# Altium PCB UWB-Tag_Pcb.PcbDoc
Units mil, origin at the board's own origin, x right, y up, seen from the top; angles counter-clockwise.
Board outline 1732.28 x 1574.8 mil, 2 copper layers (Top Layer, Bottom Layer), stack 49.606 mil thick; 57 components, 70 nets, 290 pads, 152 vias.
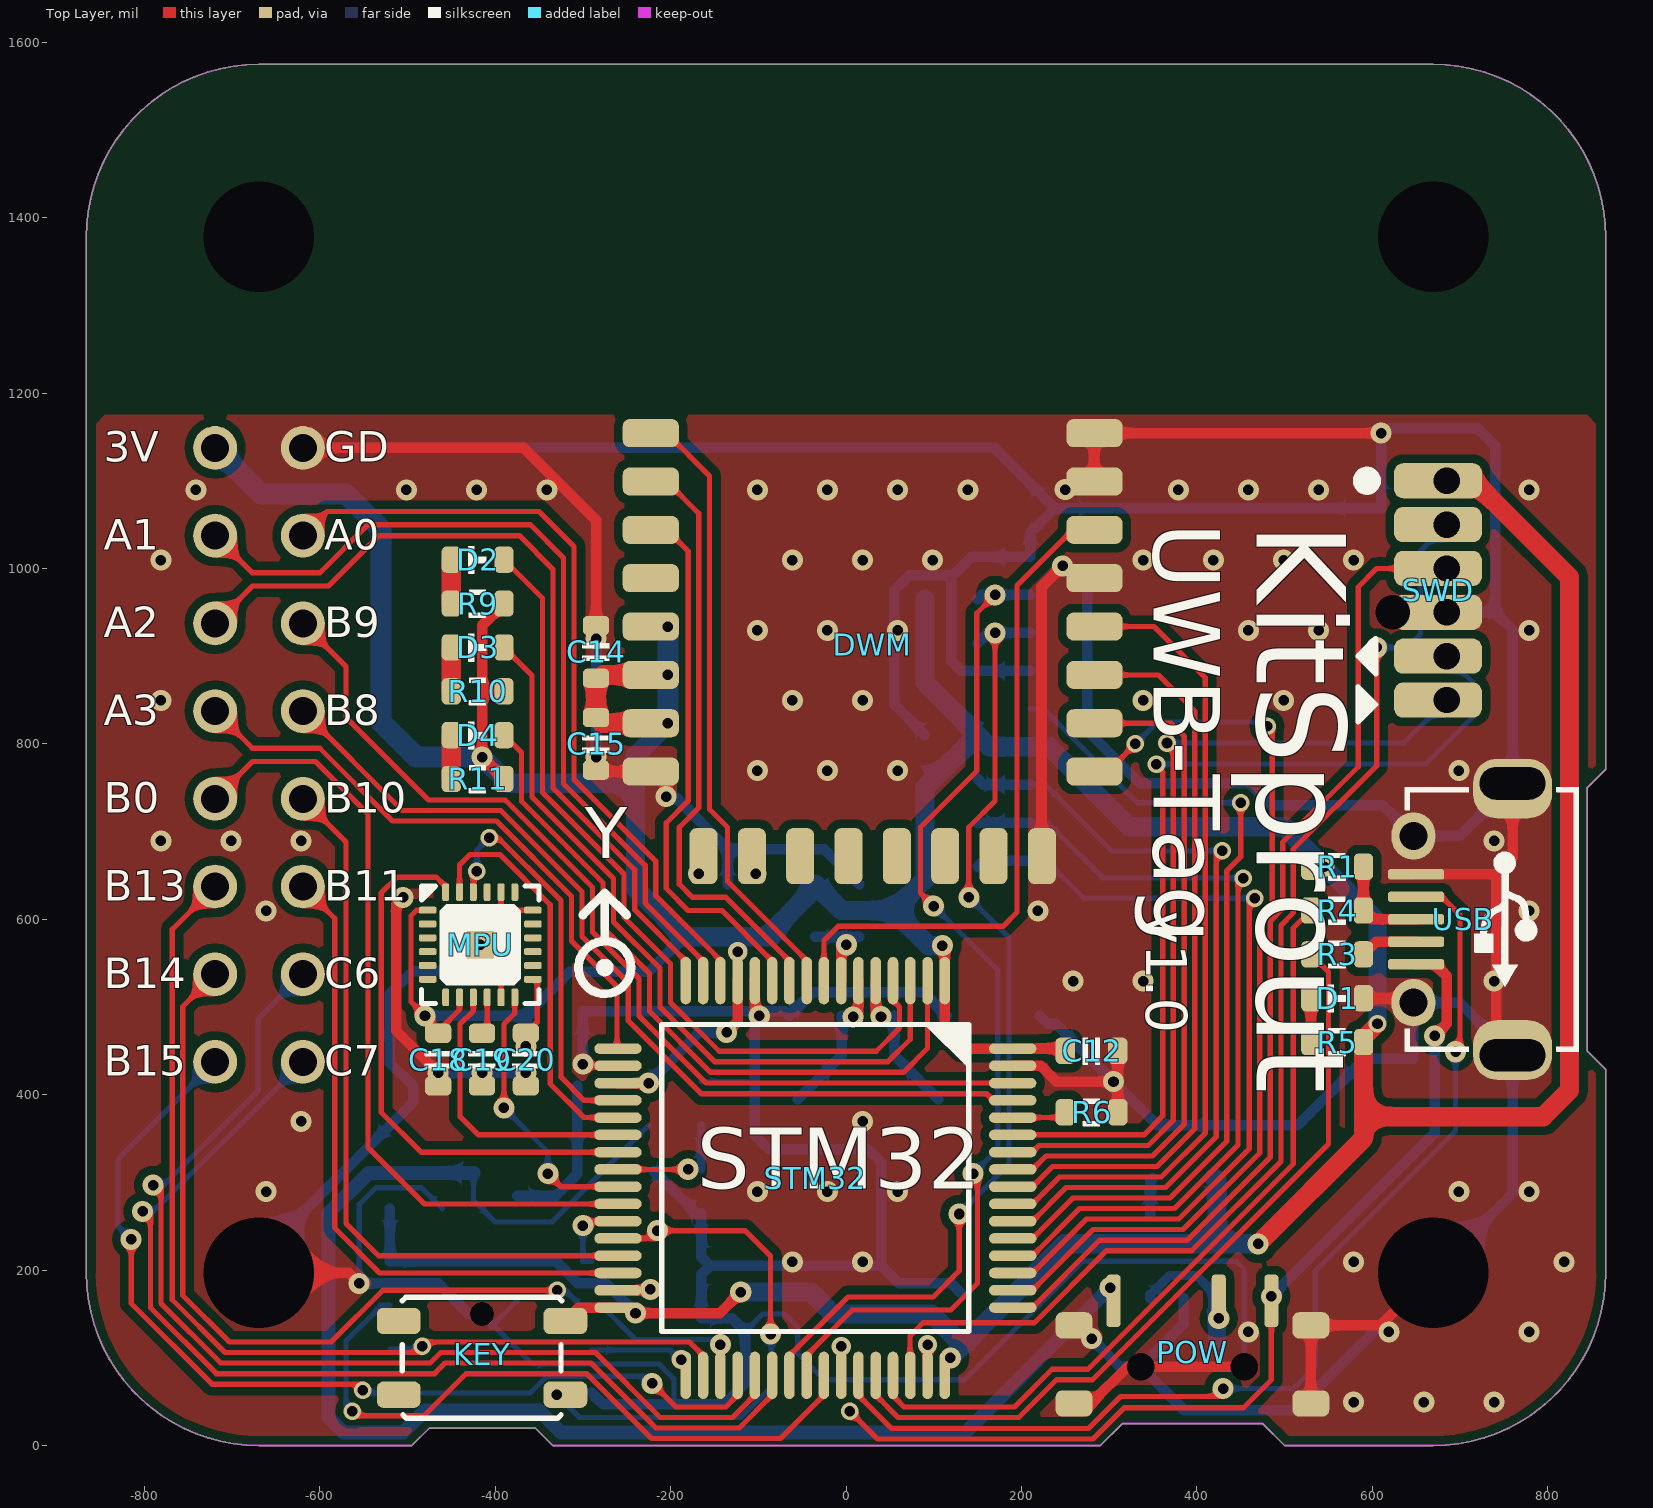
[diagram p0: Top Layer view]
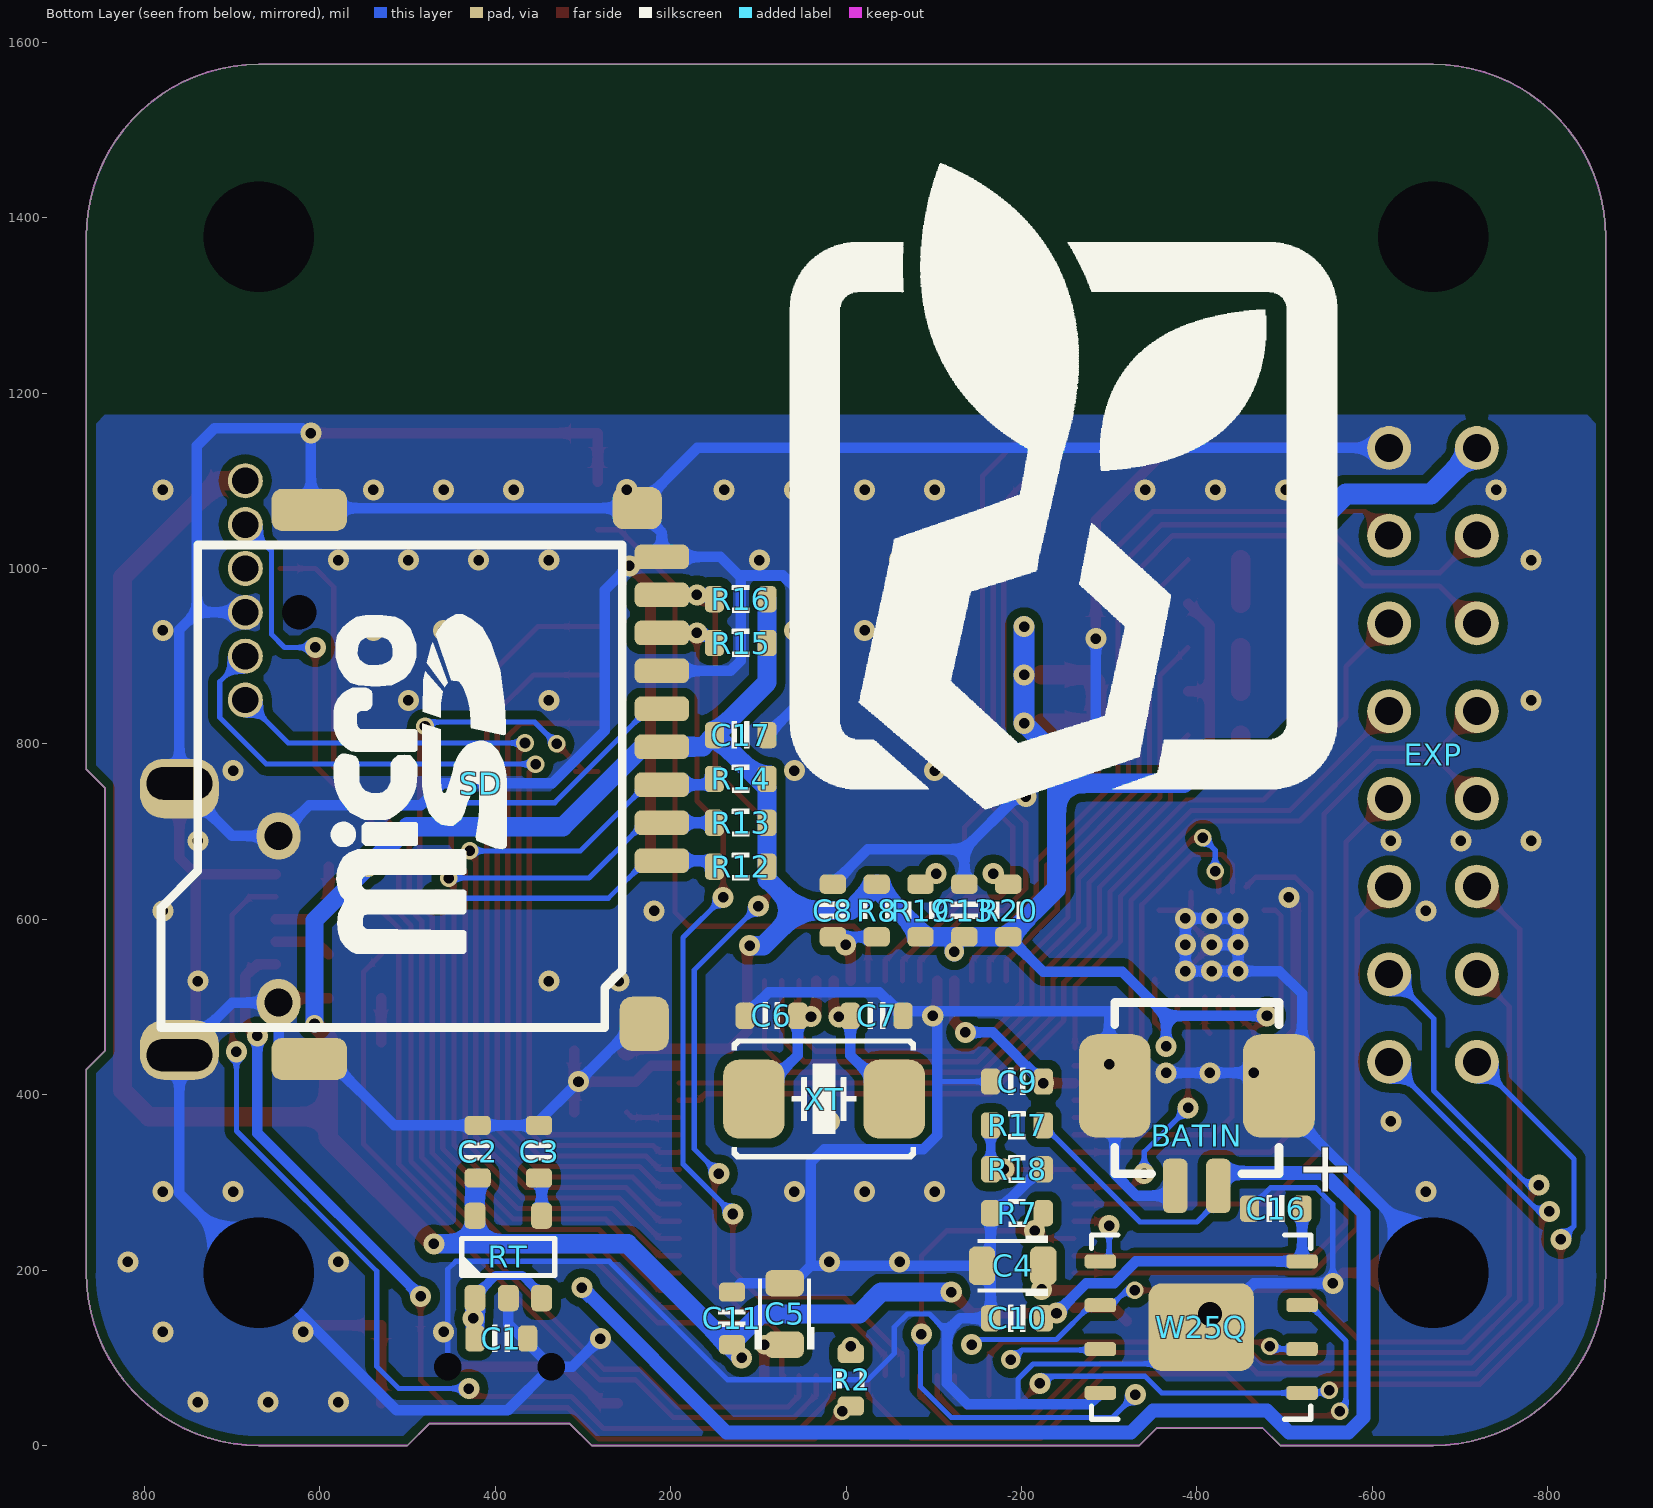
[diagram p1: Bottom Layer view, seen from below]
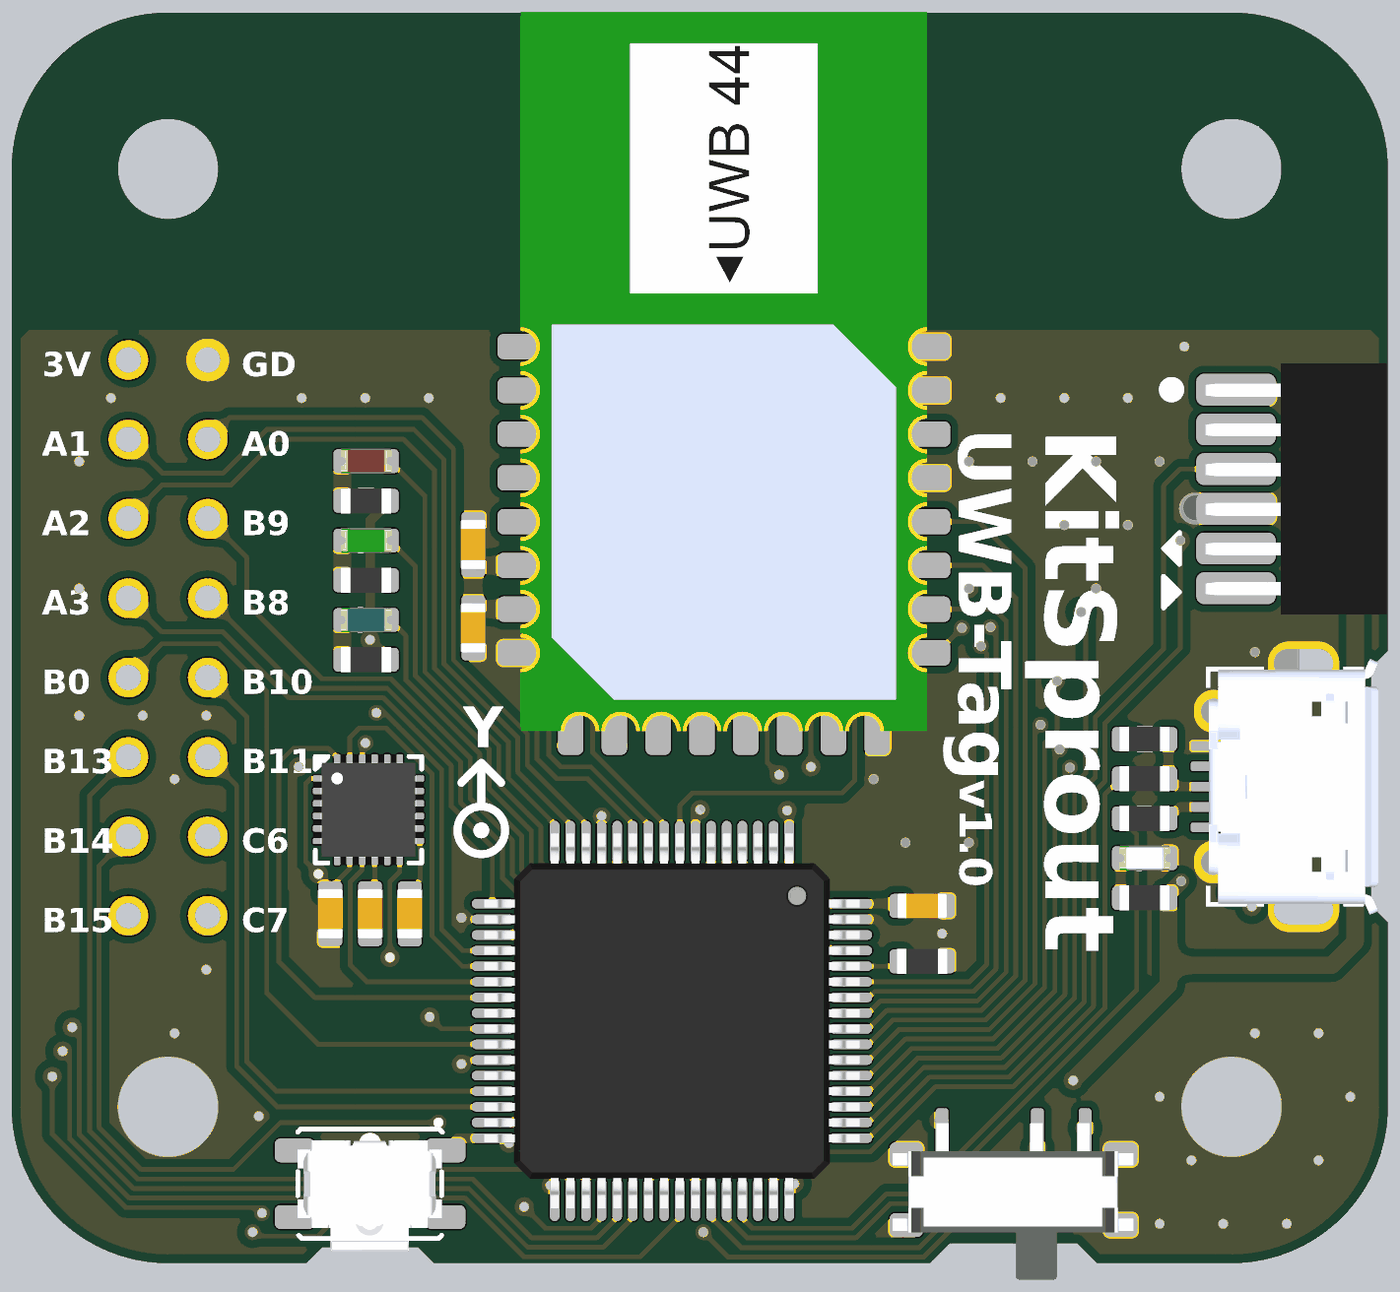
[diagram p2: 3D render of the assembled board from above, using the file's embedded part models]
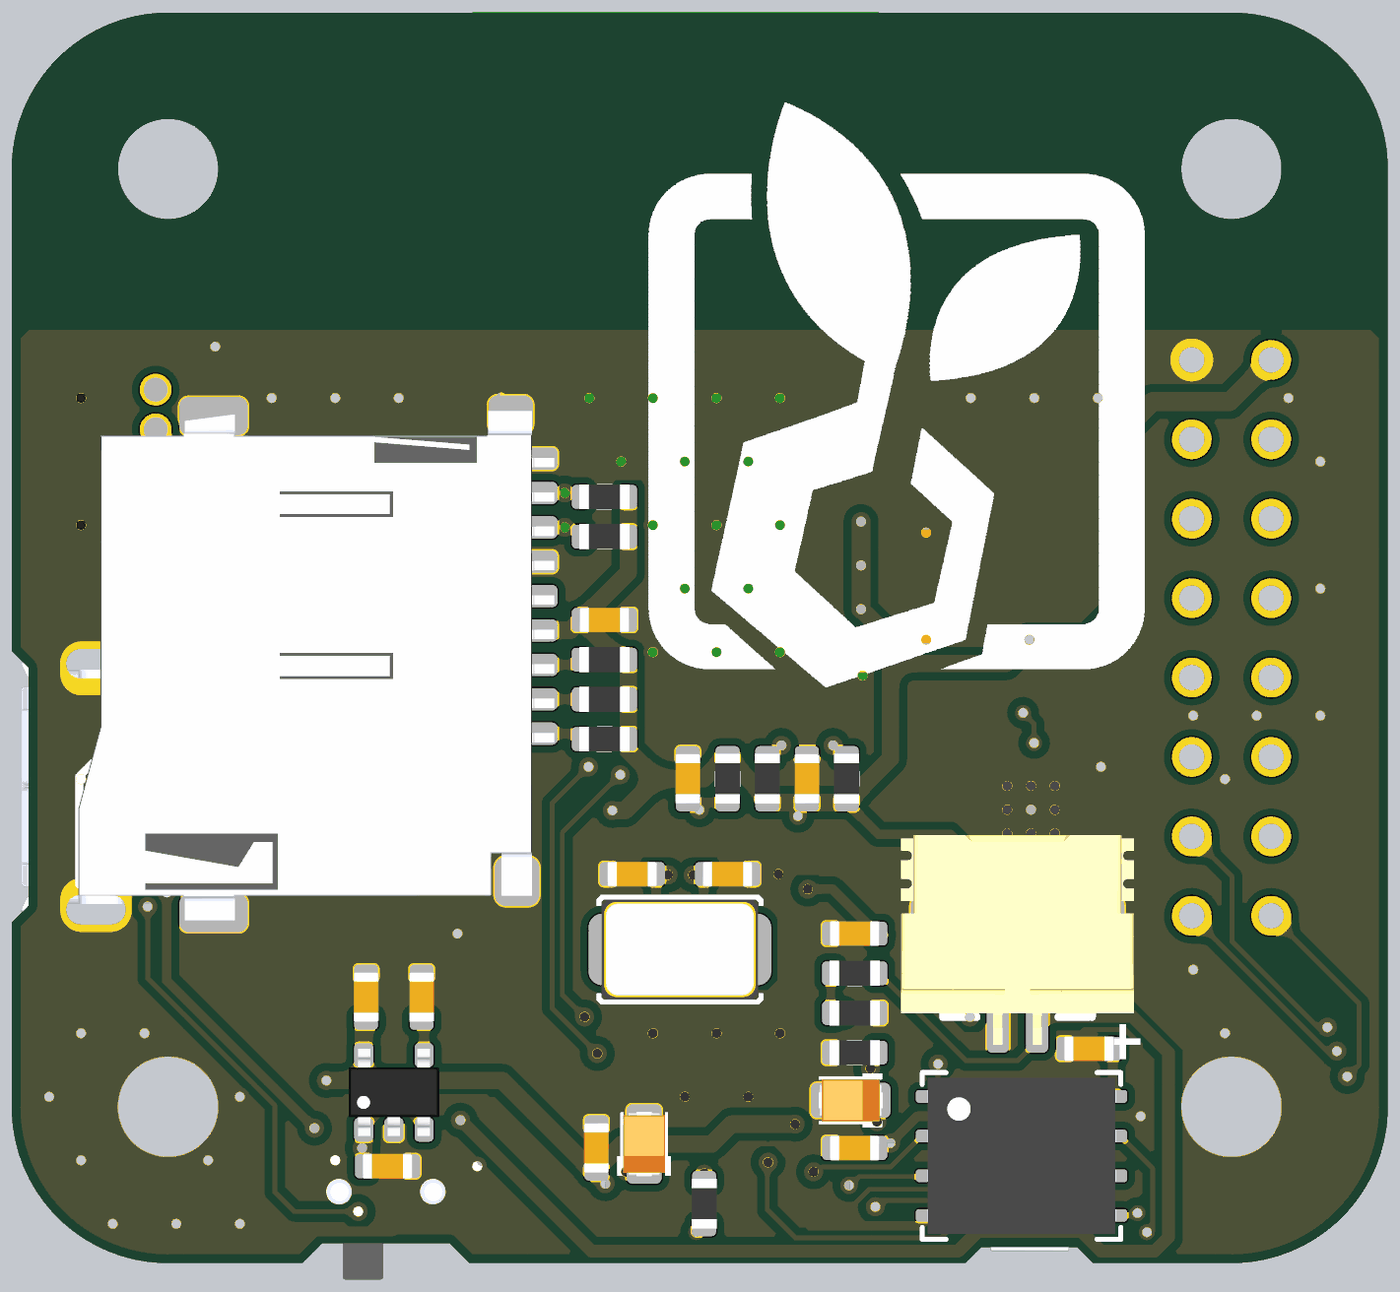
[diagram p3: 3D render of the assembled board from below, using the file's embedded part models]

## Layer stack, top to bottom
Top Solder: solder mask 0.3937, Solder Resist, Dk 3.5
Top Layer: signal copper 1.1811
Dielectric 1: core 47.2441, Dk 4.2
Bottom Layer: signal copper 1.1811
Bottom Solder: solder mask 0.3937, Solder Resist, Dk 3.5

## Board outline
-669.29,0 -495,0 -475,20 -354.45,20 -334.45,0 290,0 315,25 475,25 500,0 669.29,0 ccw(c669.29,196.85) 866.14,196.85 866.14,428.86 845,450 845,750 866.14,771.14 866.14,1377.95 ccw(c669.29,1377.95) 669.29,1574.8 -669.29,1574.8 ccw(c-669.29,1377.95) -866.14,1377.95 -866.14,196.85 ccw(c-669.29,196.85)

## Design rules (kind name [scope] priority, off if disabled: settings)
Clearance "Stitching GND" [IsStitchingVia and InNet('GND') vs (IsVia and (Not IsStitchingVia)) Or IsPad] p1: gap=6
Clearance ClearancePolygon [InPolygon] p2: gap=10
Clearance [All] p3: gap=6
ComponentClearance [All] p1: gap=0 collisioncheckmode=3 verticalgap=0 showdistances=FALSE
Height [All] p1: minheight=0 maxheight=5000 prefheight=500
HoleSize [All] p1: absolutevalues=TRUE maxlimit=200 minlimit=1 maxpercent=80.000 minpercent=20.000
HoleToHoleClearance [All] p1: gap=6 allowstackedmicrovias=TRUE
MinimumSolderMaskSliver [All] p1: minsoldermaskwidth=0
PolygonConnect [All] p1: connectstyle=Direct reliefconductorwidth=10 reliefentries=4 polygonreliefangle="90 Angle" airgapwidth=10
RoutingVias [All] p1: holewidth=12 width=24 viastyle="Through Hole" minholewidth=12 minwidth=16 maxholewidth=28 maxwidth=50
SilkToSilkClearance [All] p1: silktosilkclearance=0
SilkToSolderMaskClearance [IsPad] p1: minsilkscreentomaskgap=0 clearancetoexposedcopper=TRUE
SolderMaskExpansion [All] p1: expansion=2
Width [All] p1: maxlimit=50 minlimit=6 preferedwidth=10
23 further rules are at their usual default settings.

## Components (designator, comment, footprint, x,y, rotation, side; value= is the part's Value field where it differs from the comment)
BATIN "MX1.25_2P" MX1.25_S90_2P -400,410 r0 bottom locked
C1 "Cap_0603" CAP_0603 393,122 r0 bottom
C2 "Cap_0603" CAP_0603 420,335 r270 bottom
C3 "Cap_0603" CAP_0603 350,335 r270 bottom
C4 "Cap_Tan_0805" CAP_TAN_P0805 -190,205 r0 bottom
C5 "Cap_Tan_0805" CAP_TAN_P0805 70,150 r90 bottom
C6 "Cap_0603" CAP_0603 85,490 r0 bottom
C7 "Cap_0603" CAP_0603 -35,490 r180 bottom
C8 "Cap_0603" CAP_0603 15,610 r270 bottom
C9 "Cap_0603" CAP_0603 -195,415 r0 bottom
C10 "Cap_0603" CAP_0603 -195,145 r0 bottom
C11 "Cap_0603" CAP_0603 130,145 r90 bottom
C12 "Cap_0603" CAP_0603 280,450 r0 top
C13 "Cap_0603" CAP_0603 -135,610 r270 bottom
C14 "Cap_0603" CAP_0603 -285,905 r90 top
C15 "Cap_0603" CAP_0603 -285,800 r270 top
C16 "Cap_0603" CAP_0603 -490,270 r0 bottom
C17 "Cap_0603" CAP_0603 120,810 r180 bottom
C18 "Cap_0603" CAP_0603 -465,440 r90 top
C19 "Cap_0603" CAP_0603 -415,440 r90 top
C20 "Cap_0603" CAP_0603 -365,440 r90 top
D1 "LED_0603" LED_0603_YELLOW 560,510 r0 top
D2 "LED_0603" LED_0603_RED -420,1010 r0 top
D3 "LED_0603" LED_0603_GREEN -420,910 r0 top
D4 "LED_0603" LED_0603_BLUE -420,810 r0 top
DWM "DWM1000" DWM1000 30.4,670 r0 top locked
EXP "HDR2x8_2.54" HDR2X8_2.54_180 -619.29,1137.4 r180 bottom locked
KEY "ButtonTACT" ButtonTACT_3.5*3.55_90 -415,100 r180 top locked
MPU "MPU925x" QFN_P0.4_24 -417,571 r0 top
POW "SwitchSPDT_2.8x6.6_90" SwitchSPDT_2.8X6.6_90 395,90 r0 top locked
R1 "Res_0603" RES_0603 560,660 r0 top
R2 "Res_0603" RES_0603 -5.47,75 r270 bottom
R3 "Res_0603" RES_0603 560,560 r0 top
R4 "Res_0603" RES_0603 560,610 r0 top
R5 "Res_0603" RES_0603 560,460 r0 top
R6 "Res_0603" RES_0603 280,380 r180 top
R7 "Res_0603" RES_0603 -195,265 r180 bottom
R8 "Res_0603" RES_0603 -35,610 r90 bottom
R9 "Res_0603" RES_0603 -420,960 r180 top
R10 "Res_0603" RES_0603 -420,860 r180 top
R11 "Res_0603" RES_0603 -420,760 r180 top
R12 "Res_0603" RES_0603 120,660 r180 bottom
R13 "Res_0603" RES_0603 120,710 r180 bottom
R14 "Res_0603" RES_0603 120,760 r180 bottom
R15 "Res_0603" RES_0603 120,915 r180 bottom
R16 "Res_0603" RES_0603 120,965 r180 bottom
R17 "Res_0603" RES_0603 -195,365 r0 bottom
R18 "Res_0603" RES_0603 -195,315 r180 bottom
R19 "Res_0603" RES_0603 -85,610 r270 bottom
R20 "Res_0603" RES_0603 -185,610 r270 bottom
RT "RT9193" SOT23-5 385,215 r90 bottom
SD "SD_Card_TF" SD_Card_TF 210,666.77 r90 bottom locked
STM32 "STM32F405R" LQFP_P0.5_64 -35,305 r270 top locked
SWD "HDR1x6_1.27" HDR1X6_1.27_180HFD 675,1100 r0 top locked
USB "USB_Micro" USB_Micro-AB 750,600 r270 top locked
W25Q "W25Q128FV" SON_P1.27H_8 -405,135 r180 bottom locked
XT "XTAL_5032_2P" XT_5032_2 25,395 r0 bottom

## Footprints (in the part's own frame and the unit in brackets; to place one, negate y for a bottom-side part, rotate by r counter-clockwise, add the part's x,y. Pads: shape width x height; smd on the part's side, far side on the other; paste and mask are expansions set on the pad)
ButtonTACT_3.5*3.55_90 [mil]
  round 27.56 hole 27.56 mask+0: 0(-0.01,-50)
  rrect50% 50x30 smd: 1(-95,42) 2(-95,-42) 3(95,42) 4(95,-42)
  silkscreen extent -91,-69 91,69, body extent -90,-55 91,85, height 56
CAP_0603 [mil]
  rrect50% 22x30 smd: 1(-30,0) 2(30,0)
  silkscreen extent -10,-15 10,15, body extent -31,-16 31,16, height 31
CAP_TAN_P0805 [mil]
  rrect50% 30x44 smd: 1(-35,0) 2(35,0)
  silkscreen extent -40,-34 40,34, body extent -40,-27 40,27, height 59
DWM1000 [mil]
  rrect50% 64x32 smd: 1(-253,484.25) 2(-253,429.13) 3(-253,374.02) 4(-253,318.9) 5(-253,263.78) 6(-253,208.66) 7(-253,153.54) 8(-253,98.43) 17(253,98.43) 18(253,153.54) 19(253,208.66) 20(253,263.78) 21(253,318.9) 22(253,374.02) 23(253,429.13) 24(253,484.25)
  rrect50% 32x64 smd: 9(-192.91,2) 10(-137.8,2) 11(-82.68,2) 12(-27.56,2) 13(27.56,2) 14(82.68,2) 15(137.8,2) 16(192.91,2)
  body extent -256,0 256,906, height 114
HDR1X6_1.27_180HFD [mil]
  rrect50% 100x40 smd: 1(0,0) 2(0,-50) 3(0,-100) 4(0,-150) 5(0,-200) 6(0,-250)
  body extent -38,-283 190,33, height 71
HDR2X8_2.54_180 [mil]
  round 50 hole 32: 1(0,0) 2(100,0) 3(0,-100) 4(100,-100) 5(0,-200) 6(100,-200) 7(0,-300) 8(100,-300) 9(0,-400) 10(100,-400) 11(0,-500) 12(100,-500) 13(0,-600) 14(100,-600) 15(0,-700) 16(100,-700)
LED_0603_BLUE [mil]
  rrect50% 22x30 smd: 1(-30,0) 2(30,0)
  silkscreen extent -10,-16 10,16, body extent -32,-16 32,16, height 24
LED_0603_GREEN [mil]
  rrect50% 22x30 smd: 1(-30,0) 2(30,0)
  silkscreen extent -10,-16 10,16, body extent -32,-16 32,16, height 24
LED_0603_RED [mil]
  rrect50% 22x30 smd: 1(-30,0) 2(30,0)
  silkscreen extent -10,-16 10,16, body extent -32,-16 32,16, height 24
LED_0603_YELLOW [mil]
  rrect50% 22x30 smd: 1(-30,0) 2(30,0)
  silkscreen extent -10,-16 10,16, body extent -32,-16 32,16, height 24
LQFP_P0.5_64 [mil]
  oval 54x12 smd: 1(-225,147.64) 2(-225,127.95) 3(-225,108.27) 4(-225,88.58) 5(-225,68.9) 6(-225,49.21) 7(-225,29.53) 8(-225,9.84) 9(-225,-9.84) 10(-225,-29.53) 11(-225,-49.21) 12(-225,-68.9) 13(-225,-88.58) 14(-225,-108.27) 15(-225,-127.95) 16(-225,-147.64) 33(225,-147.64) 34(225,-127.95) 35(225,-108.27) 36(225,-88.58) 37(225,-68.9) 38(225,-49.21) 39(225,-29.53) 40(225,-9.84) 41(225,9.84) 42(225,29.53) 43(225,49.21) 44(225,68.9) 45(225,88.58) 46(225,108.27) 47(225,127.95) 48(225,147.64)